# Allegro board SDHCalFEB.brd (continued)
## Routing (per net, layer and track width the routed paths; a pad name or vN(x,y) marks a point on that pad's centre or on a via; arc(x,y) is an arc through that point) (continued)
  TOP w0.305: U390.141 v2(218.76,234.52) ; v2(42.38,137.5) U780.21 v2(44.74,137.5) ; U975.160 v2(126.4,72.13) ; U975.160 v2(125.85,73.31) ; U975.160 v2(126.4,74.5) ; U585.121 v2(311.77,154.51) ; U520.121 v2(71.74,234.52) ; v2(124.75,70.49) U975.1 v2(122.39,70.49) ; U715.142 v2(138.1,152.14) ; U780.121 v2(71.74,154.51) ; v2(44.74,217.51) U520.21 v2(42.38,217.51) ; U260.103 v2(75.77,299.47) ; U910.66 v2(222.66,43.5) ; U65.42 v2(287.07,283.57) ; U780.141 v2(58.74,154.51) ; U1040.74 v2(67.84,41.13) ; U975.141 v2(138.75,74.5) ; U520.140 v2(59.39,232.15) ; U715.64 v2(141.35,123.51) ; U390.42 v2(207.06,203.52) ; U585.141 v2(298.77,154.51) ; U325.66 v2(302.67,203.53) ; U1040.139 v2(60.04,74.5) ; U325.42 v2(287.07,203.52) ; U325.139 v2(300.07,234.52) ; U1040.144 v2(56.79,72.13) ; U585.140 v2(299.42,152.14) ; U65.57 v2(296.82,281.16) ; v2(286.42,232.15) U325.160 v2(286.42,234.52) ; U65.127 v2(307.87,314.53) ; U520.64 v2(61.34,203.52) ; U195.139 v2(140.05,314.55) ; U65.66 v2(302.67,283.53) ; U390.66 v2(222.66,203.52) ; U650.125 v2(229.16,154.51) ; U260.69 v2(64.59,281.16) ; U1061.3 v1(140.89,341.51) ; U845.1 v2(283.59,71.07) ; U845.1 v2(282.41,70.49) ; U845.1 v2(284.78,70.49) ; U910.141 v2(218.76,74.5) ; U455.144 v2(136.8,232.15) ; U650.142 v2(218.11,152.14) ; U585.122 v2(311.12,152.14) ; U325.121 v2(311.77,234.52) ; v2(206.41,232.15) U390.160 v2(206.41,234.52) ; U1040.141 v2(58.74,74.5) ; U910.160 v2(206.41,72.13) ; U910.160 v2(205.86,73.31) ; U910.160 v2(206.41,74.5) ; U910.127 v2(227.86,74.5) ; U260.121 v2(71.74,314.53) ; U715.141 v2(138.75,154.51) ; v2(42.38,150.5) U780.1 v2(44.74,150.5) ; U520.103 v2(75.74,219.46) ; U260.101 v2(75.77,298.17) ; U520.142 v2(58.09,232.15) ; U975.57 v2(136.8,41.13) ; U390.126 v2(228.51,232.15) ; U910.75 v2(228.51,43.5) ; v2(282.41,150.5) U585.1 v2(284.78,150.5) ; U1040.138 v2(60.69,72.13) ; U520.69 v2(64.59,201.15) ; U325.75 v2(308.52,203.52) ; U715.74 v2(147.85,121.14) ; U325.41 v2(286.42,201.15) ; U975.41 v2(126.4,41.13) ; U520.144 v2(56.79,232.15) ; v2(46.39,121.14) U780.41 v2(45.84,122.32) ; v2(46.39,312.16) U260.160 v2(46.39,314.53) ; U650.64 v2(221.36,123.51) ; U845.75 v2(308.52,43.5) ; U455.75 v2(148.5,203.52) ; U650.126 v2(228.51,152.14) ; v2(46.39,234.54) U520.160 v2(46.39,232.13) ; U130.69 v2(224.61,281.16) ; U520.101 v2(75.74,218.16) ; v2(126.4,314.53) U195.160 v2(126.4,312.14) ; v2(42.37,297.52) U260.21 v2(44.78,297.52) ; U780.144 v2(56.79,152.14) ; v2(202.4,310.52) U130.1 v2(204.77,310.52) ; U585.101 v2(313.41,138.15) ; U585.127 v2(307.87,154.51) ; U65.126 v2(308.52,312.14) ; v2(335.59,316.87) U1.1 v2(336.55,317.48) ; U390.139 v2(220.06,234.52) ; U1040.41 v2(46.39,41.13) ; U1040.64 v2(61.34,43.5) ; U390.103 v2(235.76,219.46) ; v2(206.41,154.51) U650.160 v2(206.41,152.14) ; U455.122 v2(151.1,232.15) ; U390.64 v2(221.36,203.52) ; v2(42.38,310.52) U260.1 v2(44.74,310.52) ; U455.121 v2(151.75,234.52) ; v2(304.62,281.16) U65.69 ; U585.125 v2(309.17,154.51) ; U195.127 v2(147.85,314.58) ; U520.122 v2(71.09,232.15) ; v2(122.39,57.49) U975.21 v2(124.75,57.49) ; U130.140 v2(219.41,312.16) ; U195.75 v2(148.5,283.54) ; U910.101 v2(235.76,58.14) ; U845.66 v2(302.67,43.5) ; U650.103 v2(235.76,139.45) ; U780.69 v2(64.59,121.14) ; U2.2 v2(336.5,328.89) ; U455.140 v2(139.4,232.15) ; U195.144 v2(136.8,312.16) ; U910.64 v2(221.36,43.5) ; U975.103 v2(155.75,59.44) ; U715.121 v2(151.75,154.51) ; v2(126.4,232.15) U455.160 v2(126.4,234.52) ; U1040.127 v2(67.84,74.5) ; U1040.42 v2(47.04,43.5) ; v2(202.4,217.51) U390.21 v2(204.76,217.51) ; U715.81 v2(153.39,125.15) ; U650.75 v2(228.51,123.51) ; U390.69 v2(224.61,201.15) ; v2(205.86,122.32) U650.41 v2(206.41,121.14) ; v2(286.42,314.53) U65.160 v2(286.42,312.09) ; U390.74 v2(227.86,201.15) ; U260.122 v2(71.09,312.16) ; U455.125 v2(149.15,234.52) ; U585.64 v2(301.37,123.51) ; U520.139 v2(60.04,234.52) ; U910.138 v2(220.71,72.13) ; U845.121 v2(311.77,74.5) ; U260.127 v2(67.84,314.53) ; U390.125 v2(229.16,234.52) ; U1040.66 v2(62.64,43.5) ; U65.41 v2(286.42,281.13) ; U390.75 v2(228.51,203.52) ; U650.69 v2(224.61,121.14) ; v2(285.87,42.31) U845.41 v2(286.42,41.13) ; U910.142 v2(218.11,72.13) ; U845.160 v2(286.42,74.5) ; U845.160 v2(286.42,72.13) ; U845.160 v2(285.87,73.31) ; U910.126 v2(228.51,72.13) ; U130.126 v2(228.51,312.14) ; U780.66 v2(62.64,123.51) ; v2(282.41,297.52) U65.21 v2(284.78,297.52) ; U325.103 v2(313.41,219.46) ; U780.127 v2(67.84,154.51) ; U130.74 v2(227.86,281.15) ; U910.122 v2(231.11,72.13) ; v2(206.41,314.53) U130.160 v2(206.41,312.14) ; v2(204.76,150.5) U650.1 v2(202.4,150.5) ; U975.58 v2(137.45,43.5) ; U325.74 v2(307.87,201.15) ; v2(42.38,57.49) U1040.21 v2(44.74,57.49) ; U130.101 v2(235.76,298.17) ; U910.145 v2(216.16,74.5) ; U455.64 v2(141.35,203.52) ; U715.42 v2(127.05,123.51) ; U585.126 v2(308.52,152.14) ; U715.127 v2(147.85,154.51) ; U455.81 v2(153.34,205.16) ; U650.42 v2(207.06,123.51) ; U325.140 v2(299.42,232.15) ; U520.145 v2(56.14,234.52) ; U845.142 v2(298.12,72.13) ; U585.66 v2(302.67,123.51) ; U715.139 v2(140.05,154.51) ; U585.81 v2(313.41,125.15) ; v2(46.39,152.14) U780.160 v2(46.39,154.51) ; v2(122.39,230.51) U455.1 v2(124.75,230.51) ; U260.74 v2(67.84,281.16) ; U650.81 v2(233.4,125.15) ; v2(336.55,318.78) U1.2 v2(335.59,319.39) ; U325.69 v2(304.62,201.15) ; U455.126 v2(148.5,232.15) ; U585.142 v2(298.12,152.14) ; U910.144 v2(216.81,72.13) ; U390.121 v2(231.76,234.52) ; v2(284.77,217.51) U325.21 v2(282.41,217.51) ; U975.42 v2(127.05,43.5) ; v2(206.41,43.5) U910.41 v2(205.86,42.31) ; U130.139 v2(220.06,314.53) ; U910.1 v2(204.76,70.49) ; U910.1 v2(203.58,71.04) ; U910.1 v2(202.4,70.49) ; U65.58 v2(297.47,283.53) ; U715.144 v2(136.8,152.14) ; U585.138 v2(300.72,152.1) ; U845.64 v2(301.37,43.5) ; U975.69 v2(144.6,41.13) ; U650.138 v2(220.71,152.14) ; U780.58 v2(57.44,123.51) ; U390.58 v2(217.46,203.53) ; U325.101 v2(313.41,218.16) ; U1040.145 v2(56.14,74.5) ; U390.144 v2(216.81,232.15) ; v2(46.39,72.13) U1040.160 v2(46.39,74.5) ; U845.74 v2(307.87,41.13) ; v2(124.75,217.51) U455.21 v2(122.39,217.51) ; U1040.57 v2(56.79,41.13) ; U65.122 v2(311.12,312.14) ; U195.145 v2(136.15,314.53) ; U520.75 v2(68.49,203.52) ; U780.142 v2(58.09,152.14) ; U65.81 v2(313.41,285.17) ; U65.75 v2(308.52,283.53) ; U390.138 v2(220.71,232.15) ; U650.121 v2(231.76,154.51) ; v2(282.41,230.51) U325.1 v2(284.77,230.51) ; U715.160 v2(126.4,154.51) ; U715.160 v2(125.85,153.32) ; U715.160 v2(126.4,152.14) ; U975.140 v2(139.4,72.13) ; U715.75 v2(148.5,123.51) ; v2(42.38,230.51) U520.1 v2(44.74,230.51) ; U520.58 v2(57.44,203.52) ; U910.139 v2(220.06,74.5) ; U715.126 v2(148.5,152.14) ; v2(204.76,57.49) U910.21 v2(202.4,57.49) ; v2(282.41,310.52) v3(283.59,310.52) v2(284.84,310.52) ; v2(286.42,152.12) U585.160 v2(286.42,154.51) ; U455.145 v2(136.15,234.52) ; v2(298.12,312.16) U65.142 ; U325.122 v2(311.12,232.15) ; U390.101 v2(235.76,218.16) ; U520.41 v2(46.39,201.15) ; U975.66 v2(142.65,43.5) ; v2(122.39,310.52) U195.1 v2(124.76,310.52) ; U520.74 v2(67.84,201.15) ; v2(42.38,70.49) U1040.1 v2(44.74,70.49) ; U260.42 v2(47.04,283.53) ; U975.64 v2(141.35,43.5) ; U1061.14 v1(135.25,341.51) ; U260.64 v2(61.34,283.53) ; U130.75 v2(228.51,283.53) ; U975.138 v2(140.7,72.13) ; U455.42 v2(127.05,203.52) ; U130.58 v2(217.46,281.16) ; R1410.1 v2(332.21,324.23) ; U195.42 v2(127.05,283.54) ; U65.121 v2(311.77,314.53) ; U260.144 v2(56.79,312.16) ; v2(126.4,121.14) U715.41 v2(125.85,122.32) ; U130.145 v2(216.16,314.53) ; U910.103 v2(235.76,59.44) ; U195.142 v2(138.1,312.16) ; U585.103 v2(313.41,139.45) ; U585.144 v2(296.82,152.14) ; U910.81 v2(233.4,45.14) ; U1040.122 v2(71.09,72.13) ; v2(124.75,297.52) U195.21 v2(122.39,297.52) ; U260.125 v2(69.14,314.53) ; U1073.3 v1(377.47,223.16) ; U455.66 v2(142.65,203.53) ; U260.57 v2(56.79,283.54) ; U195.138 v2(140.7,312.16) ; U910.57 v2(216.81,41.13) ; U260.140 v2(59.39,312.14) ; U650.144 v2(216.81,152.14) ; U260.126 v2(68.49,312.14) ; U585.41 v2(286.42,121.14) ; U455.74 v2(147.85,201.14) ; U260.58 v2(57.44,281.16) ; U715.66 v2(142.65,123.51) ; U585.42 v2(287.07,123.51) ; v2(122.39,137.5) U715.21 v2(124.75,137.5) ; U520.66 v2(62.64,203.52) ; v2(202.4,230.51) U390.1 v2(204.76,230.51) ; U845.139 v2(300.07,74.5) ; U130.64 v2(221.36,283.53) ; U1040.58 v2(57.44,43.5) ; U390.127 v2(227.86,234.54) ; U780.64 v2(61.34,123.51) ; U130.141 v2(218.76,314.55) ; U195.121 v2(151.75,314.53) ; U975.145 v2(136.15,74.5) ; U455.58 v2(137.45,203.53) ; U455.127 v2(147.85,234.52) ; U520.127 v2(67.84,234.52) ; U650.122 v2(231.11,152.14) ; U325.141 v2(298.77,234.52) ; U1067.14 v1(135.18,348.44) ; U325.126 v2(308.52,232.15) ; U130.142 v2(218.11,312.16) ; U455.41 v2(126.4,201.15) ; U975.74 v2(147.85,41.13) ; U260.41 v2(46.39,281.16) ; U195.41 v2(126.4,281.16) ; U1067.3 v1(140.82,348.44) ; U130.121 v2(231.76,314.53) ; U260.66 v2(62.64,283.53) ; U650.140 v2(219.41,152.14) ; U260.141 v2(58.74,314.55) ; v2(202.4,297.52) U130.21 v2(204.76,297.52) ; U910.74 v2(227.86,41.13) ; U1040.126 v2(68.49,72.13) ; v2(284.78,57.49) U845.21 v2(282.41,57.49) ; U845.125 v2(309.17,74.5) ; R1384.1 v2(328.32,329.77) ; U325.145 v2(296.17,234.52) ; U910.69 v2(224.61,41.13) ; U715.101 v2(155.75,138.15) ; U65.139 v2(300.07,314.53) ; U715.58 v2(137.45,123.51) ; U845.58 v2(297.47,43.5) ; U650.139 v2(220.06,154.51) ; U195.74 v2(147.85,281.15) ; U130.122 v2(231.11,312.14) ; U910.121 v2(231.76,74.5) ; U325.81 v2(313.41,205.16) ; U780.139 v2(60.04,154.51) ; U1040.69 v2(64.59,41.13) ; U715.69 v2(144.6,121.14) ; U195.58 v2(137.45,281.1) ; U260.138 v2(60.69,312.09) ; U195.66 v2(142.65,283.53) ; U975.139 v2(140.05,74.5) ; U260.75 v2(68.49,283.53) ; U780.145 v2(56.14,154.51) ; U65.141 v2(298.77,314.53) ; U195.69 v2(144.6,281.16) ; v2(122.39,150.5) U715.1 v2(124.75,150.5) ; U1082.7 v1(112.01,346.68) ; J33.A2 v2(394.75,99.95) ; U130.127 v2(227.86,314.53) ; U65.125 v2(309.17,314.53) ; U845.69 v2(304.62,41.12) ; U845.138 v2(300.72,72.13) ; U585.139 v2(300.07,154.51) ; U780.57 v2(56.79,121.14) ; U455.139 v2(140.05,234.52) ; U845.126 v2(308.52,72.13) ; U845.144 v2(296.82,72.13) ; U845.127 v2(307.87,74.5) ; U650.57 v2(216.81,121.14) ; U65.144 v2(296.82,312.12) ; U325.127 v2(307.87,234.52) ; U195.125 v2(149.15,314.53) ; U195.64 v2(141.35,283.53) ; U455.142 v2(138.1,232.15) ; U1071.3 v1(138.56,356.06) ; U325.64 v2(301.37,203.52) ; U650.127 v2(227.86,154.51) ; U65.145 v2(296.17,314.55) ; U715.138 v2(140.7,152.14) ; U845.145 v2(296.17,74.5) ; U130.144 v2(216.81,312.12) ; U520.42 v2(47.04,203.52) ; U195.81 v2(153.39,285.17) ; U780.140 v2(59.39,152.14) ; U975.142 v2(138.1,72.13) ; U650.74 v2(227.86,121.14) ; U650.101 v2(235.76,138.15) ; U1040.125 v2(69.14,74.5) ; U4.2 v2(324.06,331.32) ; U975.81 v2(153.39,45.14) ; U195.122 v2(151.1,312.16) ; U715.140 v2(139.4,152.14) ; U1040.75 v2(68.49,43.5) ; U130.125 v2(229.16,314.53) ; U390.145 v2(216.16,234.52) ; U260.139 v2(60.04,314.53) ; U1040.140 v2(59.39,72.13) ; U455.57 v2(136.8,201.15) ; U975.126 v2(148.5,72.13) ; U910.58 v2(217.46,43.5) ; U390.122 v2(231.11,232.15) ; U325.142 v2(298.12,232.15) ; U390.140 v2(219.41,232.15) ; U325.57 v2(296.82,201.15) ; U455.141 v2(138.75,234.52) ; U195.103 v2(155.75,299.47) ; U520.125 v2(69.14,234.52) ; U845.42 v2(287.07,43.5) ; U130.42 v2(207.06,281.16) ; U975.121 v2(151.75,74.5) ; U715.103 v2(155.75,139.45) ; U130.66 v2(222.66,283.53) ; U650.145 v2(216.16,154.51) ; U845.141 v2(298.77,74.5) ; U780.125 v2(69.14,154.51) ; U325.144 v2(296.82,232.15) ; U260.142 v2(58.09,312.16) ; v2(204.76,137.5) U650.21 v2(202.4,137.5) ; U975.122 v2(151.1,72.13) ; U195.126 v2(148.5,312.16) ; U520.141 v2(58.74,234.52) ; U325.125 v2(309.17,234.52) ; U65.138 v2(300.72,312.16) ; U975.127 v2(147.85,74.5) ; U520.138 v2(60.69,232.15) ; U845.81 v2(313.41,45.14) ; U520.57 v2(56.79,201.15) ; U650.58 v2(217.46,123.51) ; U195.141 v2(138.75,314.53) ; U845.122 v2(311.12,72.13) ; v2(216.84,283.53) 216.84,283.21 216.81,283.18 U130.57 ; U65.64 v2(301.37,283.53) ; U650.141 v2(218.76,154.51) ; U195.140 v2(139.4,312.14) ; U130.103 v2(235.76,299.47) ; U1040.121 v2(71.74,74.5) ; U390.81 v2(235.76,205.16) ; U585.145 v2(296.17,154.51) ; U65.74 v2(307.87,281.16) ; U585.69 v2(304.62,121.14) ; U780.138 v2(60.69,152.14) ; U845.140 v2(299.42,72.13) ; U780.126 v2(68.49,152.14) ; U195.101 v2(155.78,298.17) ; U455.69 v2(144.6,201.14) ; U130.41 v2(206.41,283.53) ; U975.125 v2(149.15,74.5) ; U455.138 v2(140.7,232.15) ; U845.57 v2(296.82,41.13) ; U975.144 v2(136.8,72.13) ; U585.58 v2(297.47,123.51) ; U975.75 v2(148.5,43.5) ; U2.1 v2(336.48,327.59) ; U520.126 v2(68.49,232.15) ; U585.57 v2(296.82,121.14) ; U910.125 v2(229.16,74.5) ; U195.57 v2(136.8,283.57) ; U325.58 v2(297.47,203.52) ; U780.74 v2(67.84,121.14) ; U780.75 v2(68.49,123.51) ; v2(282.41,137.5) U585.21 v2(284.78,137.5) ; U715.145 v2(136.15,154.51) ; U1040.142 v2(58.09,72.13) ; U390.41 v2(206.41,201.15) ; U780.122 v2(71.09,152.14) ; U650.66 v2(222.66,123.51) ; U715.122 v2(151.1,152.14) ; U260.145 v2(56.14,314.55) ; v2(299.42,312.16) U65.140 ; U975.101 v2(155.75,58.14) ; U390.57 v2(216.81,201.15) ; U325.138 v2(300.72,232.13) ; U910.140 v2(219.41,72.13) ; U910.42 v2(207.06,41.13) ; U715.125 v2(149.15,154.51) ; U780.42 v2(47.04,123.51) ; U1071.14 v1(135.15,356.06) ; U130.138 v2(220.71,312.14) ; U260.81 v2(73.33,285.17) ; U390.142 v2(218.11,232.15)
  TOP w0.508: U1028.1 v1(41.8,27.3) ; U69.2 v2(246.13,331.35) ; U418.1 v2(165.17,228.9) ; U434.2 v2(105.38,200.06) ; R1413.1 v2(154.48,322.71) ; R1833.1 v2(255.93,202.21) ; R2151.1 v2(291.69,99.93) ; U917.2 v2(145.47,87.41) ; U1035.1 v1(64.18,33.12) ; C1030.1 v2(65.09,118.58) ; U610.2 v2(188.21,144.82) ; R1628.1 v2(266.93,263.19) ; U294.2 v2(255.14,210.3) ; R1554.1 v2(192.95,273.31) ; U993.1 v1(29.99,76.4) ; TP6.1 v2(319.26,299.37) ; TP6.1 v2(318.37,298.48) ; TP6.1 v2(320.15,298.48) ; TP6.1 v2(319.26,297.59) ; C1469.2 v1(378.97,292.27) ; TP7.1 v2(297.46,275.36) ; TP7.1 v2(298.35,276.25) ; TP7.1 v2(298.35,274.47) ; TP7.1 v2(299.24,275.36) ; R1706.1 v2(44.49,242.69) ; C1439.2 v1(129.67,349.08) ; R1976.1 v2(240.67,163.48) ; C430.2 v2(303.97,198.46) ; R1730.1 v2(177.7,241.9) ; U304.1 v2(275.56,203.08) ; R1846.1 v2(163.7,188.44) ; R1722.1 v2(237.35,231.42) ; R2086.1 v2(110.5,114.05) ; R1681.1 v2(84.5,229.23) ; C254.2 v2(138.75,278.62) ; U871.1 v2(196.09,59.82) ; TP159.1 v2(119.28,78.44) ; TP159.1 v2(120.17,77.56) ; TP159.1 v2(121.06,78.44) ; TP159.1 v2(120.17,79.33) ; C691.2 v2(64.09,198.59) ; R1754.1 v2(254.29,237.77) ; U16.2 v2(276.79,316.4) ; R1799.1 v2(113.31,209.55) ; U645.1 v2(247.58,97.94) ; R1689.1 v2(250.68,235.98) ; C419.1 v2(311.78,198.44) ; U772.2 v2(58.89,97.94) ; R1816.1 v2(38.43,190.73) ; U405.1 v2(120.31,236.5) ; U693.1 v2(107.44,113.06) ; C1201.1 v2(222.36,77.05) ; U855.2 v2(210.05,98.91) ; U1047.1 v1(212.44,356.82) ; R2291.1 v1(32.94,32.54) ; TP2.1 v2(278.85,275.9) ; TP2.1 v2(277.07,275.9) ; TP2.1 v2(277.96,276.79) ; TP2.1 v2(277.96,275.01) ; 196.47,104.39 v2(195.5,104.39) ; R2107.1 v2(323.7,113) ; U885.1 v2(193.19,53.41) ; 318.44,155.85 v2(319.24,155.85) ; 318.44,155.85 318.36,155.85 ; 318.44,155.85 v2(319.28,156.69) ; C1383.2 v2(73.49,39.61) ; R1874.1 v2(173.99,182.19) ; R1602.1 v2(108.87,270.74) ; C1485.2 v2(358.47,104.11) ; C1485.2 v2(358.47,102.46) ; C1485.2 v2(357.68,103.29) ; U617.1 v2(178.66,139.62) ; R1936.1 v2(318.44,173.71) ; U702.1 v2(105.51,104.39) ; R2025.1 v2(196.28,143.96) ; C158.1 v2(231.58,278.5) ; U645.2 v2(248.88,97.94) ; C154.1 v2(219.75,278.6) ; TP43.1 v2(46.18,319.35) ; TP43.1 v2(47.07,318.47) ; TP43.1 v2(47.07,320.24) ; TP43.1 v2(47.96,319.35) ; U687.2 v2(170.38,133.06) ; R2294.1 v2(113.92,59.28) ; U142.2 v2(121.55,330.61) ; U527.1 v2(305.51,164.9) ; U140.1 v2(131.31,339.04) ; U20.2 v2(264.03,317.94) ; U903.1 v1(222.98,25.98) ; U517.2 v2(80.02,194.03) ; R2105.1 v2(256,110.71) ; C1038.2 v2(62.9,118.58) ; R2576.2 v1(353.02,206.15) ; U102.1 v2(250.52,287.86) ; U519.1 v2(67.51,191.57) ; U643.1 v2(226.07,97.94) ; U851.1 v2(234.04,90.02) ; U180.2 v2(117.37,278.45) ; R1946.1 v2(134.49,172.72) ; U536.1 v2(276.1,157.35) ; R1941.1 v2(230.73,168.4) ; U203.1 v2(57.56,327.91) ; U540.1 v2(266.85,157.94) ; U198.2 v2(86.49,326.86) ; U586.2 v2(248.53,162.51) ; C1112.1 v2(300.75,38.6) ; R1860.1 v2(268.45,190.7) ; U342.2 v2(185.56,246.53) ; U428.1 v2(166.8,218.52) ; U245.2 v2(36.32,280.56) ; R1448.1 v2(38.43,322.78) ; U394.2 v2(152.5,253.07) ; U815.2 v2(265.51,53.07) ; 290.06,249.56 v2(290.06,250.52) ; U167.2 v2(176.5,298.74) ; R1562.1 v2(202.43,279.18) ; U112.2 v2(255.19,287.43) ; U652.2 v2(164.9,174) ; R1652.1 v2(313.02,253.64) ; U776.2 v2(86.44,109.11) ; U782.2 v2(324.92,93.99) ; U978.1 v2(85.47,86.11) ; U493.1 v2(88.27,215.83) ; U505.2 v2(36.37,199.1) ; R1670.1 v2(69.91,242.7) ; R2092.1 v2(284.5,121.69) ; U503.1 v2(88.93,204.58) ; TP133.1 v2(304.77,75.9) ; TP133.1 v2(305.66,76.79) ; TP133.1 v2(303.89,76.79) ; R2233.1 v2(190.41,82.2) ; R1896.1 v2(264.49,182.7) ; 325.5,85.5 v2(326.47,85.5) ; U632.2 v2(256.46,125.36) ; R1767.1 v2(114.88,219.39) ; R1987.1 v2(89.9,139.75) ; U591.1 v2(222.48,174.36) ; C243.1 v2(146.01,278.48) ; U618.2 v2(177.93,135.5) ; U878.1 v2(179.43,56.84) ; v2(277.39,112.73) 278.08,113.41 ; 278.08,113.41 v2(278.08,111.94) ; 278.08,113.41 278.52,113.85 C780.2 ; U554.2 v2(257.96,128.64) ; C1376.1 v2(70.68,38.57) ; R2525.1 v1(383.69,97.15) ; U40.1 v2(274.11,292.15) ; C1026.1 v2(66.13,118.58) ; R1571.1 v2(112.21,277) ; R1917.1 v2(119.91,172.69) ; v1(213.89,351.05) C1397.2 v1(214.72,350.09) ; U741.2 v1(16.89,155.39) ; U566.1 v2(273.34,107.21) ; 329.82,140.04 v2(328.85,140.04) ; U392.2 v2(165.86,253.51) ; R1915.1 v2(209.91,172.67) ; U169.1 v2(169.23,296.49) ; U173.2 v2(104.99,271.35) ; R2179.1 v2(94.48,92.71) ; U755.1 v1(28.75,117.63) ; R2279.1 v1(68.66,29.84) ; C678.1 v2(66.08,198.59) ; U570.2 v2(276.43,119.09) ; U25.1 v2(268.58,306.2) ; R2057.1 v2(184.26,130.06) ; R1844.1 v2(314.5,191.69) ; R1760.1 v1(24.1,190.46) ; U112.1 v2(255.19,286.13) ; C160.1 v2(225.03,278.52) ; U200.2 v2(75.51,327.44) ; C780.2 278.52,113.91 v2(277.45,114.98) ; C780.2 278.47,113.94 277.22,113.94 ; R2014.1 v2(161.98,143.75) ; R1680.1 v2(270.42,242.19) ; R2144.1 v2(231.69,99.91) ; U583.1 v2(309.82,114.02) ; U462.2 v2(65.53,247.46) ; U304.2 v2(275.56,204.38) ; U67.2 v2(244.93,333.98) ; U634.1 v2(239.55,117.91) ; U297.1 v2(334.04,213.06) ; U676.2 v2(116.9,139.73) ; U726.2 v2(43.07,178.89) ; R1501.1 v2(273.4,299.93) ; C1044.2 v2(78.27,157.38) ; C1044.2 78.59,155.85 ; C1044.2 v2(78.27,154.33) ; TP76.1 v2(239.83,130.33) ; TP76.1 v2(238.94,129.44) ; TP76.1 v2(239.83,128.55) ; TP76.1 v2(240.72,129.44) ; U12.2 v2(281.55,330.61) ; U978.2 v2(86.44,86.8) ; 156.34,73.39 v2(157.04,73.39) ; U764.2 v2(81.6,117.96) ; R2258.1 v2(98,81.6) ; U489.1 v1(25.23,211.91) ; R1727.1 v2(98.73,229.14) ; R2070.1 v2(98.41,133.68) ; U82.1 v2(186.87,326.56) ; U380.1 v2(207.58,177.9) ; U109.1 v2(186.33,280.77) ; R1394.1 v2(69.93,322.68) ; U863.2 v2(183.65,75.01) ; R2035.1 v2(91.4,120.7) ; 128.89,188.85 v2(128.89,187.88) ; C1130.2 v2(317.61,77.37) ; C1130.2 317.63,75.84 ; C1130.2 v2(317.61,74.32) ; U1045.4 v1(243.83,347.63) ; U427.2 v2(176.87,207.9) ; R1945.1 v2(289.92,172.72) ; U714.1 v2(147.5,111.54) ; U508.2 v2(44.38,185.42) ; R1430.1 v2(94.49,332.71) ; R321.1 v2(86.41,279.37) ; C860.2 v2(221.35,157.06) ; U312.2 v2(270.98,188.09) ; U856.2 v2(203.06,98.91) ; U693.2 v2(107.44,114.36) ; U638.2 v2(204.35,105.51) ; U226.2 v1(27.34,303.07) ; U751.1 v1(17.6,118.94) ; U193.1 v2(149.83,273.99) ; R1865.1 v2(188.19,191.44) ; R1971.1 v2(79.71,149.94) ; 291.36,249.56 v2(291.36,250.52) ; C1122.2 v2(312.99,40.6) ; U156.1 v2(115.78,299.64) ; U808.2 v2(328.93,61.35) ; U48.2 v2(329.19,284.38) ; R1849.1 v2(234.49,191.72) ; U352.1 v2(253.26,235.58) ; U137.1 v2(146.53,325.58) ; R1870.1 v2(98.2,192.99) ; U178.1 v2(165.32,289.51) ; R2003.1 v1(23.14,141.11) ; U77.2 v2(201.55,330.61) ; R2039.1 v2(83.66,118.42) ; v2(158.76,74.9) 158.75,74.9 157.86,75.79 ; R1507.1 v2(111.07,300.67) ; R1708.1 v2(180.43,242.19) ; R1484.1 v1(21.46,306.2) ; U839.2 v1(306.44,22.58) ; U838.2 v1(302.02,25.43) ; R1465.1 v2(282.7,315.93) ; U287.1 v2(322.88,229.57) ; U538.1 v2(262.16,154.89) ; v1(375.98,213.59) C1433.2 v2(376.81,214.38) ; C427.2 v2(298.8,198.62) ; C255.2 v2(142.79,278.49) ; C942.1 v2(149.75,118.55) ; U266.1 v2(314.05,250.02) ; U365.2 v2(193.19,211.52) ; U716.2 v2(88.53,162.38) ; TP147.1 v2(228.42,75.65) ; TP147.1 v2(229.31,76.54) ; TP147.1 v2(227.53,76.54) ; TP147.1 v2(228.42,77.43) ; U180.1 v2(117.37,280.97) ; U889.2 v2(185.52,43.07) ; U559.1 v2(328.42,133.43) ; U64.2 v2(307.6,272.83) ; U275.2 v2(278.96,236.5) ; U152.1 v2(163.57,317.07) ; U523.2 v2(325.53,167.4) ; TP32.1 v2(120.29,276.76) ; TP32.1 v2(119.41,275.87) ; TP32.1 v2(121.18,275.87) ; TP32.1 v2(120.29,274.98) ; U950.1 v2(114.83,52.14) ; U938.1 v2(168.17,62.34) ; TP175.1 v2(55.83,37.14) ; TP175.1 v2(55.83,38.92) ; TP175.1 v2(54.94,38.03) ; TP175.1 v2(56.72,38.03) ; R1531.1 v2(98.41,287.89) ; R2012.1 v2(320.4,142.22) ; C956.2 v2(158.23,157.35) ; C956.2 158.67,155.83 ; C956.2 v2(158.23,154.31) ; R1750.1 v2(239.66,221.47) ; U481.1 v1(17.25,238.75) ; 317.84,155.26 v2(317.84,154.33) ; 317.84,155.26 v2(318.78,154.32) ; 317.84,155.26 C782.2 ; U979.2 v2(84,91.32) ; C1422.2 v1(355.7,182.73) ; U943.2 v2(99.42,54.04) ; TP77.1 v2(172.44,218.07) ; TP77.1 v2(171.55,218.96) ; TP77.1 v2(171.55,217.18) ; TP77.1 v2(170.66,218.07) ; U853.2 v2(224.03,91.32) ; R2274.1 v2(173.76,59.99) ; U380.2 v2(208.88,177.9) ; R1334.2 v1(388.06,102.49) ; C161.1 v2(230.59,278.5) ; U45.2 v2(269.57,275.15) ; C1468.2 v1(386.28,102.9) ; U558.1 v2(325.29,138.05) ; U647.1 v2(241.32,114.02) ; U13.1 v2(270.35,331.34) ; R2324.1 v2(195.22,47.68) ; C609.2 157.96,235.86 ; C609.2 v2(157.84,237.39) ; C609.2 v2(157.84,234.34) ; 157.96,235.86 v2(159.26,234.57) ; 157.96,235.86 158.27,235.86 ; U1025.2 v2(36.4,39.13) ; U574.1 v2(275.51,104.39) ; R1447.1 v2(53.7,326.95) ; U322.1 v2(317.12,191.69) ; R2077.1 v2(242.69,119.92) ; U387.1 v2(241.32,194.03) ; C1375.1 v2(62.34,77.03) ; TP65.1 v2(131.9,184.79) ; TP65.1 v2(131.9,186.57) ; TP65.1 v2(131.01,185.68) ; TP65.1 v2(132.79,185.68) ; U527.2 v2(305.51,167.42) ; U33.2 v2(257.86,295.57) ; R1661.1 v2(199.91,252.68) ; R1493.1 v2(275.89,303.22) ; 269.37,64.81 v2(268.4,64.81) ; R1656.1 v2(70.72,255.97) ; U72.2 v2(225.58,327.46) ; U430.2 v2(113.51,211.72) ; 358.37,142.16 C1429.2 v1(360.78,142.6) ; 358.37,142.16 v1(357.4,141.2) ; 358.37,142.16 v1(358.37,141.2) ; U408.2 v2(103.47,235.33) ; R2098.1 v2(109.71,118.44) ; U566.2 v2(274.03,108.18) ; U18.2 v2(261.58,315.9) ; U725.2 v2(50,178.92) ; R2074.1 v2(170.42,122.2) ; U627.1 v2(176.81,118.46) ; R2197.1 v2(240.67,81.92) ; U730.1 v2(40.35,156.46) ; U600.2 v2(199.02,156.46) ; 144.08,199.26 v2(144.08,198.56) ; U918.1 v2(143.99,90.02) ; U176.1 v2(113.49,267.44) ; C249.2 v2(156.65,284.1) ; R2199.1 v2(139.91,82.71) ; U923.1 v2(110.39,91.33) ; U259.2 v2(66.6,273.47) ; U695.1 v2(110.01,117.19) ; C1399.2 v1(220.05,341.36) ; U114.2 v2(244.27,280.72) ; U525.2 v2(315.52,167.42) ; U790.2 v2(290.03,98.88) ; U433.2 v2(107.52,194.4) ; R1980.1 v2(32.62,162.27) ; R2038.1 v2(99.17,141.46) ; R2159.1 v2(266.94,102.21) ; U517.1 v2(81.32,194.03) ; R1791.1 v2(114.21,207.82) ; U997.2 v2(78.68,77.01) ; U368.1 v2(187.5,193.07) ; 361.09,132.13 v2(362.08,133.12) ; 361.09,132.13 C1421.2 v2(360,133.21) ; 361.09,132.13 v1(363.02,132.13) ; TP1.1 v2(285.88,319.05) ; TP1.1 v2(284.99,319.94) ; TP1.1 v2(285.88,320.83) ; TP1.1 v2(286.77,319.94) ; R1989.1 v2(178.79,149.11) ; U857.1 v2(202.86,90.42) ; v2(302.37,316.77) C70.1 v2(303,316.07) ; U538.2 v2(263.46,154.89) ; R2332.1 v2(101.4,51.23) ; R2032.1 v2(272.49,140.67) ; C774.2 v2(317.74,124.21) ; 183.06,269.62 v2(182.45,269.62) ; 238.13,155.03 v2(238.13,154.28) ; 238.13,155.03 C869.2 ; 238.13,155.03 v2(239.08,154.09) ; U14.1 v2(265.86,334.17) ; U942.1 v2(98.7,59.63) ; U34.1 v2(257.88,291.64) ; U166.1 v2(105.21,288.69) ; U166.2 v2(105.21,287.39) ; U171.2 v2(98.93,285.13) ; U224.1 v2(92.86,309.91) ; U138.1 v2(144.07,330.03) ; U722.2 v2(65.51,167.42) ; U295.1 v2(261.06,211.4) ; U1054.5 v1(353.87,147.6) ; U680.2 v2(105.69,143.45) ; U659.2 v2(130.06,170.46) ; U194.2 v2(147.55,272.83) ; U26.1 v2(277.07,299.63) ; U100.2 v2(183.44,291.54) ; R2096.1 v2(268.92,119.23) ; U694.1 v2(105.46,121.35) ; U150.1 v2(105.43,318.01) ; R1422.1 v2(251.43,316.2) ; U513.1 v2(65.49,178.92) ; U3.2 v2(326.6,326.85) ; U145.2 v2(118.91,316.53) ; U159.1 v2(165.02,306.14) ; R1793.1 v2(274.08,208.79) ; 196.47,103.09 v2(195.5,103.09) ; U534.1 v2(265.88,174.04) ; R2021.1 v2(185.49,146.3) ; U870.1 v2(188.04,66.06) ; C242.1 v2(140.73,278.61) ; R1397.1 v2(190.42,322.2) ; R1798.1 v2(192.96,209.35) ; R1445.1 v2(58.42,323.67) ; U921.2 v2(123.08,98.88) ; U1043.3 v1(213.48,344.07) ; TP60.1 v2(200.96,238.79) ; TP60.1 v2(200.08,239.68) ; TP60.1 v2(199.19,238.79) ; TP60.1 v2(200.08,237.91) ; R1999.1 v1(23.83,161.79) ; R1810.1 v2(248.41,201.7) ; U519.2 v2(67.51,192.87) ; U133.1 v2(166.55,325.56) ; R1665.1 v2(111.39,253.7) ; R2091.1 v2(71.67,99.91) ; U929.1 v2(111.83,76.43) ; C155.1 v2(220.71,278.6) ; C1037.2 v2(58.73,118.61) ; U700.1 v2(116.41,120.39) ; U682.2 v2(98.68,138.32) ; R2185.1 v2(294.5,92.71) ; R1952.1 v2(262.2,174.02) ; U531.1 v2(284.37,178.94) ; U619.1 v2(178.05,131.44) ; R2205.1 v2(99.91,91.7) ; U676.1 v2(115.6,139.73) ; U832.1 v1(280.75,25.98) ; U99.2 v2(177.98,288.59) ; C1025.1 v2(60.72,118.61) ; TP148.1 v2(200.48,77.76) ; TP148.1 v2(200.48,79.54) ; TP148.1 v2(199.59,78.65) ; TP148.1 v2(201.37,78.65) ; U1004.2 v2(96.67,63.64) ; U738.2 v2(85.54,154.99) ; C952.2 v2(143.77,118.55) ; U963.2 v1(119.88,27.84) ; TP176.1 v2(83.64,40.45) ; TP176.1 v2(85.42,40.45) ; TP176.1 v2(84.53,39.56) ; TP176.1 v2(84.53,41.33) ; R1389.1 v2(53.67,335.97) ; C1442.2 v1(361.52,285) ; U75.1 v2(211.33,339.12) ; U462.1 v2(65.53,244.94) ; C1424.2 v2(355.98,159.21) ; R1894.1 v2(118.44,180.7) ; U733.1 v2(36.88,155.91) ; R2136.1 v2(253.99,102.18) ; U391.1 v2(169.84,242.37) ; R2207.1 v2(70.67,83.49) ; U690.2 v2(113.28,131.54) ; U41.2 v2(256.81,285.11) ; C1415.2 v1(357.71,135.65) ; R1409.1 v2(111.38,333.71) ; U28.1 v2(328.35,300.76) ; U940.2 v2(105.69,63.41) ; R2004.1 v2(258.94,153.67) ; U966.2 v1(136.09,20.43) ; R1578.1 v2(243.67,271.97) ; C434.2 318.26,236.3 ; C434.2 317.71,235.52 ; C434.2 317.71,236.33 ; 318.26,236.3 v2(319.11,236.3) ; 318.26,236.3 v2(319.2,235.36) ; R2149.1 v2(140.74,98.43) ; R1687.1 v1(30.33,245.53) ; R1590.1 v2(138.45,274.48) ; R1759.1 v2(97.57,227.49) ; U683.2 v2(97.92,135.5) ; U161.1 v2(95.71,305.33) ; U126.2 v2(246.23,269.11) ; TP158.1 v2(147.93,76.54) ; TP158.1 v2(148.82,75.65) ; TP158.1 v2(149.71,76.54) ; TP158.1 v2(148.82,77.43) ; U347.1 v2(242.03,237.06) ; TP59.1 v2(245.72,249.79) ; TP59.1 v2(247.5,249.79) ; TP59.1 v2(246.61,250.68) ; TP59.1 v2(246.61,248.9) ; U420.1 v2(104.5,224.12) ; C1472.2 v1(369.37,294.74) ; U542.2 v2(320.77,157.02) ; U73.1 v2(223.98,330.02) ; C1430.2 v1(350.94,322.17) ; U551.2 v2(257.1,144.24) ; C1401.2 v1(212.23,359) ; U409.2 v2(110.5,236.52) ; U431.1 v2(97.87,206.85) ; U604.1 v2(191.81,156.46) ; 238.76,155.8 v2(239.53,155.8) ; 238.76,155.8 238.61,155.8 ; 238.76,155.8 v2(239.55,155.02) ; C686.2 v2(76.24,204.8) ; U11.1 v2(284.38,339.02) ; R2305.1 v1(229.57,21.72) ; U121.2 v2(211.38,265.28) ; U789.2 v2(290.03,90.45) ; 238.02,235.74 v2(239,235.74) ; 238.02,235.74 v2(239.01,234.75) ; 238.02,235.74 C521.2 ; U105.2 v2(192.74,291.13) ; C517.2 v2(224.02,198.56) ; U31.2 v2(260.5,302.66) ; U607.1 v2(243.38,157.02) ; R1838.1 v2(179.91,202.69) ; R2139.1 v2(321.69,99.93) ; U307.2 v2(330.04,210.52) ; U39.2 v2(321.35,289.44) ; 81.03,199.52 v2(81.03,198.55) ; R1523.1 v2(168.37,290.65) ; R1594.1 v2(130.71,275.43) ; R2211.1 v2(213.73,83.49) ; R1845.1 v2(243.69,193.01) ; U1003.2 v2(88.16,63.61) ; v2(303.03,330.62) U8.1 v2(303.99,330.01) ; U454.2 v2(147.55,192.82) ; R1606.1 v2(98.46,273.66) ; R2102.1 v2(98.43,123.68) ; R1418.1 v2(294.49,332.74) ; R1752.1 v2(84.47,210.79) ; R1779.1 v2(172.72,209.91) ; U743.2 v2(80.94,148.92) ; U646.2 v2(246.41,109.11) ; R1438.1 v2(259.92,331.75) ; R2297.1 v2(192.51,60.68) ; R1546.1 v2(241.48,287.7) ; R1716.1 v2(204.49,242.69) ; R1588.1 v2(290.65,268.33) ; R1561.1 v2(284.5,281.76) ; U837.2 v1(305.14,14.07) ; C78.2 v2(301.37,317.08) ; U727.2 v2(41.57,170.41) ; U686.2 v2(105.71,128.59) ; U125.2 v2(248.85,257.86) ; C86.2 v2(317.58,314.31) ; C86.2 317.59,315.83 ; C86.2 v2(317.58,317.36) ; U329.2 v2(232.49,253.07) ; U597.2 v2(201.56,170.46) ; C867.2 v2(197.27,113.05) ; C867.2 v2(197.12,115.21) ; C867.2 v2(199.35,112.98) ; C867.2 v2(198.27,112.12) ; U151.2 v2(103.16,306.96) ; U921.1 v2(124.38,98.88) ; U123.1 v2(226.06,257.86) ; C169.2 v2(224.04,278.52) ; U967.2 v1(142.56,14.3) ; 142.38,156.34 v2(142.38,157.04) ; R1745.1 v2(319.67,222.94) ; U558.2 v2(323.99,138.05) ; U810.1 v2(264.72,64.08) ; U877.1 v2(178.69,59.63) ; 69.55,316.48 69.39,316.48 ; 69.55,316.48 v2(68.69,315.63) ; 69.55,316.48 C348.2 ; 69.39,316.48 v2(68.55,317.32) ; 69.39,316.48 v2(68.33,316.48) ; TP165.1 v2(163.04,40.52) ; TP165.1 v2(162.15,39.63) ; TP165.1 v2(163.04,38.74) ; TP165.1 v2(163.93,39.63) ; U833.2 v1(277.59,28.85) ; C1372.1 v2(59.71,38.6) ; U402.2 v2(121.55,250.47) ; U999.1 v2(95.96,70.03) ; TP54.1 v2(278.66,194.61) ; TP54.1 v2(277.77,193.73) ; TP54.1 v2(277.77,195.5) ; TP54.1 v2(276.89,194.61) ; U522.2 v2(324.89,174) ; U391.2 v2(168.54,242.37) ; C521.2 v2(237.6,234.21) ; C521.2 v2(237.6,237.26) ; U339.2 v2(183.94,253.06) ; R2103.1 v2(40.74,98.43) ; U316.2 v2(289.85,188.87) ; R1396.1 v2(133.71,325.96) ; C1396.2 v1(215.15,347.89) ; R1672.1 v2(64.48,242.69) ; U578.2 v2(307.4,97.94) ; U719.1 v2(84.02,170.03) ; U933.2 v2(165.52,74.96) ; U981.2 v2(74.02,91.32) ; U595.2 v2(210.05,178.92) ; U243.2 v2(82.54,288.04) ; U752.1 v2(93.8,137.97) ; R1718.1 v1(32.92,244.47) ; TP38.1 v2(40.34,320.65) ; TP38.1 v2(40.34,318.87) ; TP38.1 v2(41.22,319.76) ; TP38.1 v2(39.45,319.76) ; TP12.1 v2(224.92,316.87) ; TP12.1 v2(225.81,315.98) ; TP12.1 v2(226.7,316.87) ; U88.2 v2(245.46,314.31) ; U75.2 v2(210.03,339.12) ; R1901.1 v2(99.92,182.7) ; R1485.1 v2(326.03,305.26) ; U768.2 v2(44.36,105.51) ; U201.2 v2(74.04,331.33) ; U641.2 v2(208.88,107.92) ; C947.2 v2(155.86,124.79) ; C1207.2 v2(237.05,73.44) ; TP114.1 v2(148.51,157.49) ; TP114.1 v2(147.62,156.6) ; TP114.1 v2(149.4,156.6) ; TP114.1 v2(148.51,155.71) ; C1445.2 v1(362.2,295.69) ; R2036.1 v2(259.19,141.46) ; 78.59,155.85 v2(79.72,156.98) ; 78.59,155.85 78.61,155.85 ; 184.78,211.55 v2(183.82,211.55) ; U913.1 v2(165.48,86.14) ; R1813.1 v2(318.67,198.42) ; v2(38.4,333.68) R1439.1 ; R1439.1 v2(39.17,334.54) ; R1439.1 v2(39.17,332.89) ; R2308.1 v1(309.5,29.57) ; U184.1 v2(120.34,269.52) ; U237.2 v1(25.32,276.75) ; U614.1 v2(250.34,144.37) ; U738.1 v2(86.84,154.99) ; U155.1 v2(107.59,306.62) ; U333.2 v2(224.03,251.32) ; U233.1 v2(86.51,295.54) ; R1404.1 v2(78.44,333.68) ; U234.2 v2(87.54,298.12) ; R487.2 v2(251.02,248.67) ; C696.2 v2(77.89,234.34) ; C696.2 v2(77.89,237.39) ; C696.2 77.95,235.86 ; U556.2 v2(265.86,128.59) ; R1787.1 v2(171.15,214.75) ; U58.2 v2(308.87,257.88) ; TP109.1 v2(212.34,106.3) ; TP109.1 v2(213.23,105.39) ; TP109.1 v2(212.34,104.5) ; TP109.1 v2(211.46,105.39) ; U494.2 v2(90.08,218.36) ; R1958.1 v2(314.47,162.71) ; C946.2 v2(157.9,153.45) ; C853.1 v2(222.36,157.06) ; U421.2 v2(96.98,224.3) ; R1420.1 v2(90.73,315.95) ; U384.1 v2(237.57,177.9) ; C597.2 v2(158.28,233.46) ; U589.1 v2(244.02,170.03) ; U703.2 v2(124.37,105.49) ; R1470.1 v2(193.85,310.67) ; U1000.2 v2(31.51,68) ; R1997.1 v2(202.72,155.97) ; U993.2 v1(28.69,76.4) ; R2011.1 v2(93.67,128.41) ; R2147.1 v2(300.73,98.43) ; C689.2 v2(59.14,235.21) ; U520.81 v2(73.38,205.16) ; U309.1 v2(320.53,197.89) ; U135.1 v2(156.59,325.51) ; U232.1 v2(96.52,295.59) ; R1659.1 v2(134.48,252.7) ; U486.1 v1(26.36,223.09) ; U318.2 v2(308.85,177.9) ; U310.2 v2(276.35,199.1) ; R1800.1 v2(83.69,188.44) ; C241.1 v2(139.74,278.61) ; U787.1 v2(305.49,84.89) ; U1029.1 v1(39.83,17.09) ; U460.2 v2(75.54,247.46) ; U264.1 v2(316.1,257.23) ; C1117.1 v2(305.1,38.57) ; U629.2 v2(185.42,120.08) ; U863.1 v2(182.35,75.01) ; U155.2 v2(107.59,305.32) ; U945.1 v2(105.51,54.37) ; 158.7,155.83 v2(159.63,154.9) ; 158.7,155.83 158.67,155.83 ; 158.7,155.83 v2(159.62,155.83) ; R1675.1 v2(294.48,242.69) ; U523.1 v2(325.53,166.1) ; U730.2 v2(39.05,156.46) ; U34.2 v2(257.88,290.34) ; U20.1 v2(265.33,317.94) ; R2193.1 v2(39.91,92.71) ; 50.07,266.32 v2(50.07,265.35) ; C865.2 v2(223.96,118.58) ; R2055.1 v2(44.49,121.69) ; C516.2 v2(223,198.56) ; U440.1 v2(116.38,200.4) ; R2314.1 v1(126.92,16.28) ; R2221.1 v2(299.91,82.71) ; U545.1 v2(268.17,146.42) ; R1819.1 v2(158.5,198.4) ; R1882.1 v2(151.71,179.91) ; U838.1 v1(303.32,25.43) ; R1721.1 v2(259.46,229.93) ; v1(351.08,170.71) U1055.5 v1(353.82,170.71) ; U6.2 v2(314.02,331.32) ; TP132.1 v2(86.16,140.62) ; TP132.1 v2(85.27,141.51) ; TP132.1 v2(86.16,142.4) ; TP132.1 v2(87.05,141.51) ; U1030.1 v1(45.11,21.1) ; U642.2 v2(217.36,97.94) ; U124.2 v2(238.86,257.86) ; R1503.1 v2(113.31,299.3) ; TP120.1 v2(132.46,105.04) ; TP120.1 v2(133.35,105.93) ; TP120.1 v2(131.57,105.93) ; TP120.1 v2(132.46,106.82) ; TP49.1 v2(272.87,247.37) ; TP49.1 v2(274.65,247.37) ; TP49.1 v2(273.76,248.26) ; TP49.1 v2(273.76,246.48) ; U356.2 v2(176.94,224.19) ; TP143.1 v2(314.96,29.03) ; TP143.1 v2(315.85,29.92) ; TP143.1 v2(314.96,30.81) ; TP143.1 v2(314.07,29.92) ; U594.1 v2(211.35,170.46) ; U653.1 v2(166.47,165.51) ; C1202.1 v2(230.75,38.57) ; R1893.1 v2(200.74,178.41) ; U9.1 v2(291.44,330.48) ; R2290.1 v2(116.33,63.91) ; U291.1 v2(265.91,224.36) 